# KiCad board video.kicad_pcb (continued)
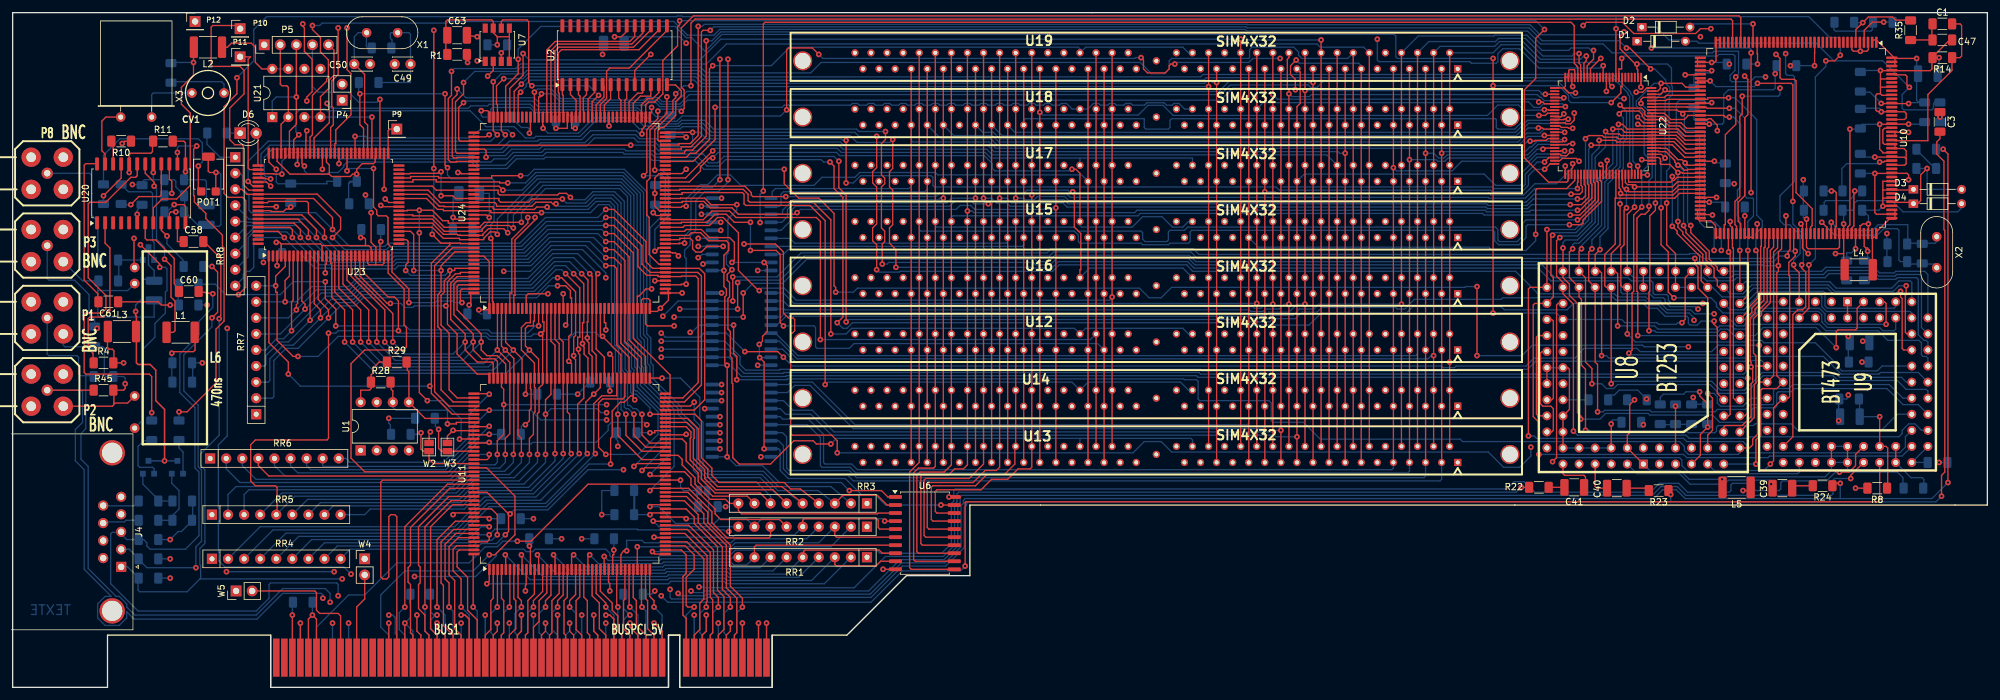
[diagram p0: board, top side]
## Footprints (pads in the part's own frame, mm; a bottom-side part is the same pattern mirrored in y, then rotated) (continued)
R_1206_3216Metric_Pad1.30x1.75mm_HandSolder
  rrect 1.3x1.75 smd: 1(-1.55,0) 2(1.55,0)
R_1210_3225Metric_Pad1.30x2.65mm_HandSolder
  rrect 1.3x2.65 smd: 1(-1.55,0) 2(1.55,0)
R_1812_4532Metric_Pad1.30x3.40mm_HandSolder
  rrect 1.3x3.4 smd: 1(-2.225,0) 2(2.225,0)
R_Array_SIP9
  rect 1.6x1.6 hole 0.8: 1(0,0)
  oval 1.6x1.6 hole 0.8: 2(2.54,0) 3(5.08,0) 4(7.62,0) 5(10.16,0) 6(12.7,0) 7(15.24,0) 8(17.78,0) 9(20.32,0)
sim72
  round 3 hole 2.5: (-55.88,0) (55.88,0)
  round 1.143 hole 0.635: (0,0) 2(46.355,1.27) 3(45.085,-1.27) 4(43.815,1.27) 5(42.545,-1.27) 6(41.275,1.27) 7(40.005,-1.27) 8(38.735,1.27) 9(37.465,-1.27) 10(36.195,1.27) 11(34.925,-1.27) 12(33.655,1.27) 13(32.385,-1.27) 14(31.115,1.27) 15(29.845,-1.27) 16(28.575,1.27) 17(27.305,-1.27) 18(26.035,1.27) 19(24.765,-1.27) 20(23.495,1.27) 21(22.225,-1.27) 22(20.955,1.27) 23(19.685,-1.27) 24(18.415,1.27) 25(17.145,-1.27) 26(15.875,1.27) 27(14.605,-1.27) 28(13.335,1.27) 29(12.065,-1.27) 30(10.795,1.27) 31(9.525,-1.27) 32(8.255,1.27) 33(6.985,-1.27) 34(5.715,1.27) 35(4.445,-1.27) 36(3.175,1.27) 37(-3.175,-1.27) 38(-4.445,1.27) 39(-5.715,-1.27) 40(-6.985,1.27) 41(-8.255,-1.27) 42(-9.525,1.27) 43(-10.795,-1.27) 44(-12.065,1.27) 45(-13.335,-1.27) 46(-14.605,1.27) 47(-15.875,-1.27) 48(-17.145,1.27) 49(-18.415,-1.27) 50(-19.685,1.27) 51(-20.955,-1.27) 52(-22.225,1.27) 53(-23.495,-1.27) 54(-24.765,1.27) 55(-26.035,-1.27) 56(-27.305,1.27) 57(-28.575,-1.27) 58(-29.845,1.27) 59(-31.115,-1.27) 60(-32.385,1.27) 61(-33.655,-1.27) 62(-34.925,1.27) 63(-36.195,-1.27) 64(-37.465,1.27) 65(-38.735,-1.27) 66(-40.005,1.27) 67(-41.275,-1.27) 68(-42.545,1.27) 69(-43.815,-1.27) 70(-45.085,1.27) 71(-46.355,-1.27) 72(-47.625,1.27)
  rect 1.143x1.143 hole 0.635: 1(47.625,-1.27)
SOIC-20W_7.5x12.8mm_P1.27mm
  rrect 2.05x0.6 smd: 1(-4.65,5.715) 2(-4.65,4.445) 3(-4.65,3.175) 4(-4.65,1.905) 5(-4.65,0.635) 6(-4.65,-0.635) 7(-4.65,-1.905) 8(-4.65,-3.175) 9(-4.65,-4.445) 10(-4.65,-5.715) 11(4.65,-5.715) 12(4.65,-4.445) 13(4.65,-3.175) 14(4.65,-1.905) 15(4.65,-0.635) 16(4.65,0.635) 17(4.65,1.905) 18(4.65,3.175) 19(4.65,4.445) 20(4.65,5.715)
SOIC-24W_7.5x15.4mm_P1.27mm
  rrect 2.05x0.6 smd: 1(-4.65,6.985) 2(-4.65,5.715) 3(-4.65,4.445) 4(-4.65,3.175) 5(-4.65,1.905) 6(-4.65,0.635) 7(-4.65,-0.635) 8(-4.65,-1.905) 9(-4.65,-3.175) 10(-4.65,-4.445) 11(-4.65,-5.715) 12(-4.65,-6.985) 13(4.65,-6.985) 14(4.65,-5.715) 15(4.65,-4.445) 16(4.65,-3.175) 17(4.65,-1.905) 18(4.65,-0.635) 19(4.65,0.635) 20(4.65,1.905) 21(4.65,3.175) 22(4.65,4.445) 23(4.65,5.715) 24(4.65,6.985)
SOIC-28W_7.5x17.9mm_P1.27mm
  rrect 2.05x0.6 smd: 1(-4.65,8.255) 2(-4.65,6.985) 3(-4.65,5.715) 4(-4.65,4.445) 5(-4.65,3.175) 6(-4.65,1.905) 7(-4.65,0.635) 8(-4.65,-0.635) 9(-4.65,-1.905) 10(-4.65,-3.175) 11(-4.65,-4.445) 12(-4.65,-5.715) 13(-4.65,-6.985) 14(-4.65,-8.255) 15(4.65,-8.255) 16(4.65,-6.985) 17(4.65,-5.715) 18(4.65,-4.445) 19(4.65,-3.175) 20(4.65,-1.905) 21(4.65,-0.635) 22(4.65,0.635) 23(4.65,1.905) 24(4.65,3.175) 25(4.65,4.445) 26(4.65,5.715) 27(4.65,6.985) 28(4.65,8.255)
SolderJumper-2_P1.3mm_Open_Pad1.0x1.5mm
  rect 1x1.5 smd: 1(-0.65,0) 2(0.65,0)
SOT23EBC
  rect 0.914x0.914 smd: 1(-0.889,1.016) 2(0.889,1.016) 3(0,-1.016)
SSOP-8_3.95x5.21x3.27mm_P1.27mm
  rect 1.45x0.8 smd: 1(-2.625,1.905) 2(-2.625,0.635) 3(-2.625,-0.635) 4(-2.625,-1.905) 5(2.625,-1.905) 6(2.625,-0.635) 7(2.625,0.635) 8(2.625,1.905)
subclick
  round 1.778 hole 1.016: 1(0,0)
  round 3.048 hole 1.524: 2(-2.54,2.54) 2(-2.54,-2.54) 2(2.54,2.54) 2(2.54,-2.54)
TQFP-100_14x14mm_P0.5mm
  rrect 1.475x0.3 smd: 1(-7.662,6) 2(-7.662,5.5) 3(-7.662,5) 4(-7.662,4.5) 5(-7.662,4) 6(-7.662,3.5) 7(-7.662,3) 8(-7.662,2.5) 9(-7.662,2) 10(-7.662,1.5) 11(-7.662,1) 12(-7.662,0.5) 13(-7.662,0) 14(-7.662,-0.5) 15(-7.662,-1) 16(-7.662,-1.5) 17(-7.662,-2) 18(-7.662,-2.5) 19(-7.662,-3) 20(-7.662,-3.5) 21(-7.662,-4) 22(-7.662,-4.5) 23(-7.662,-5) 24(-7.662,-5.5) 25(-7.662,-6) 51(7.662,-6) 52(7.662,-5.5) 53(7.662,-5) 54(7.662,-4.5) 55(7.662,-4) 56(7.662,-3.5) 57(7.662,-3) 58(7.662,-2.5) 59(7.662,-2) 60(7.662,-1.5) 61(7.662,-1) 62(7.662,-0.5) 63(7.662,0) 64(7.662,0.5) 65(7.662,1) 66(7.662,1.5) 67(7.662,2) 68(7.662,2.5) 69(7.662,3) 70(7.662,3.5) 71(7.662,4) 72(7.662,4.5) 73(7.662,5) 74(7.662,5.5) 75(7.662,6)
  rrect 0.3x1.475 smd: 26(-6,-7.662) 27(-5.5,-7.662) 28(-5,-7.662) 29(-4.5,-7.662) 30(-4,-7.662) 31(-3.5,-7.662) 32(-3,-7.662) 33(-2.5,-7.662) 34(-2,-7.662) 35(-1.5,-7.662) 36(-1,-7.662) 37(-0.5,-7.662) 38(0,-7.662) 39(0.5,-7.662) 40(1,-7.662) 41(1.5,-7.662) 42(2,-7.662) 43(2.5,-7.662) 44(3,-7.662) 45(3.5,-7.662) 46(4,-7.662) 47(4.5,-7.662) 48(5,-7.662) 49(5.5,-7.662) 50(6,-7.662) 76(6,7.662) 77(5.5,7.662) 78(5,7.662) 79(4.5,7.662) 80(4,7.662) 81(3.5,7.662) 82(3,7.662) 83(2.5,7.662) 84(2,7.662) 85(1.5,7.662) 86(1,7.662) 87(0.5,7.662) 88(0,7.662) 89(-0.5,7.662) 90(-1,7.662) 91(-1.5,7.662) 92(-2,7.662) 93(-2.5,7.662) 94(-3,7.662) 95(-3.5,7.662) 96(-4,7.662) 97(-4.5,7.662) 98(-5,7.662) 99(-5.5,7.662) 100(-6,7.662)

## Nets
+3.3V: BUS1.A21 BUS1.A27 BUS1.A33 BUS1.A39 BUS1.A45 BUS1.A53 BUS1.B25 BUS1.B31 BUS1.B36 BUS1.B41 BUS1.B43 BUS1.B54 C68.1 C69.1
+5V: BUS1.A5 BUS1.A8 BUS1.A10 BUS1.A16 BUS1.A59 BUS1.A61 BUS1.A62 BUS1.B5 BUS1.B6 BUS1.B19 BUS1.B59 BUS1.B61 BUS1.B62 C9.1 C10.1 C11.1 C15.1 C17.1 C18.1 C19.1 C20.1 C21.1 C22.1 C24.1 C25.1 C26.1 C27.1 C28.1 C29.1 C30.1 C31.1 C38.1 C56.1 C57.1 C67.1 C70.1 C71.1 C72.1 C73.1 D2.2 D4.2 L2.1 L3.1 L4.1 L5.1 R1.2 R4.2 R5.2 R6.2 R7.2 R13.1 R28.1 R29.1 R48.1 RR1.1 RR2.1 RR3.1 RR4.1 RR5.1 RR6.1 RR7.1 RR8.1 U1.7 U1.8 U2.10 U3.20 U4.20 U5.20 U6.20 U10.31 U10.45 U10.57 U10.76 U10.91 U10.102 U10.112 U11.11 U11.31 U11.51 U11.71 U11.91 U11.111 U11.131 U11.151 U12.10 U12.30 U12.59 U13.10 U13.30 U13.59 U14.10 U14.30 U14.59 U15.10 U15.30 U15.59 U16.10 U16.30 U16.59 U17.10 U17.30 U17.59 U18.10 U18.30 U18.59 U19.10 U19.30 U19.59 U21.7 U21.8 U22.12 U22.22 U22.24 U22.25 U22.26 U22.37 U22.51 U22.63 U22.75 U22.89 U22.100 U23.3 U23.15 U23.28 U23.40 U23.54 U23.66 U23.78 U23.92 U24.20 U24.38 U24.40 U24.41 U24.42 U24.60 U24.81 U24.100 U24.120 U24.142 U24.160
GND: BUS1.A18 BUS1.A24 BUS1.A30 BUS1.A35 BUS1.A37 BUS1.A42 BUS1.A48 BUS1.A56 BUS1.B3 BUS1.B15 BUS1.B17 BUS1.B22 BUS1.B28 BUS1.B34 BUS1.B38 BUS1.B46 BUS1.B49 BUS1.B57 C2.2 C6.2 C7.2 C9.2 C10.2 C11.2 C12.2 C13.2 C14.2 C15.2 C16.2 C17.2 C18.2 C19.2 C20.2 C21.2 C22.2 C23.2 C24.2 C25.2 C26.2 C27.2 C28.2 C29.2 C30.2 C31.2 C32.1 C33.2 C37.1 C38.2 C43.2 C44.2 C45.2 C46.2 C47.2 C48.1 C49.2 C50.2 C51.2 C52.2 C53.2 C54.2 C55.2 C56.2 C57.2 C62.2 C63.2 C64.2 C65.1 C66.1 C67.2 C68.2 C69.2 C70.2 C71.2 C72.2 C73.2 CV1.2 D1.1 D3.1 J4.4 J4.5 J4.6 J4.7 L6.3 P1.2 P2.2 P3.2 P4.2 P5.1 P8.2 P12.1 POT1.1 POT1.2 R8.2 R14.2 R15.1 R31.1 R32.2 R33.2 R34.2 R37.1 R38.2 R42.1 R43.1 R44.1 R45.2 R46.2 R47.2 U1.1 U1.2 U1.3 U1.4 U2.20 U3.10 U4.10 U5.10 U6.10 U7.3 U8.2 U8.3 U8.21 U8.22 U8.23 U8.41 U8.42 U8.61 U8.63 U8.67 U9.3 U9.4 U9.12 U9.13 U9.31 U9.32 U10.3 U10.5 U10.7 U10.16 U10.30 U10.44 U10.56 U10.66 U10.75 U10.88 U10.89 U10.90 U10.98 U10.103 U10.111 U10.116 U10.118 U10.124 U10.126 U10.128 U10.130 U10.134 U10.136 U10.138 U10.139 U10.143 U10.145 U10.147 U10.151 U10.153 U10.155 U10.157 U11.10 U11.30 U11.50 U11.70 U11.90 U11.110 U11.130 U11.150 U12.1 U12.39 U12.72 U13.1 U13.39 U13.72 U14.1 U14.39 U14.72 U15.1 U15.39 U15.72 U16.1 U16.39 U16.72 U17.1 U17.39 U17.72 U18.1 U18.39 U18.72 U19.1 U19.39 U19.72 U20.10 U20.17 U21.5 U22.1 U22.11 U22.23 U22.38 U22.49 U22.64 U22.77 U22.88 U23.4 U23.14 U23.26 U23.41 U23.52 U23.67 U23.80 U23.91 U24.1 U24.10 U24.19 U24.29 U24.39 U24.51 U24.61 U24.70 U24.79 U24.91 U24.101 U24.110 U24.122 U24.131 U24.141 U24.151 W1.1 W2.1 W3.1 W4.1 W5.1
+5F: C55.1 L3.2 Q1.3 Q2.3 Q3.3
//PCRD: RR3.7 U11.72 U23.46 U24.133
//PCWR: RR3.5 U11.74 U23.47 U24.132
/ACCES_RAM-: U3.19 U4.19 U5.19 U6.19 U22.21 U24.56
/ACQ_ON: U22.13 U24.48
/ADR2: U11.68 U23.48 U24.137
/ADR3: U11.67 U23.44 U24.138
/ADR4: U11.66 U23.43 U24.139
/ADR5: U11.64 U23.42 U24.140
/ADR6: U11.132 U23.39 U24.143
/BE-0: U11.87 U23.38 U24.144
/BE-1: U11.63 U23.37 U24.145
/BE-2: U11.62 U23.36 U24.146
/BE-3: U11.60 U23.35 U24.147
/BLANK-: U9.7 U22.8 U24.53
/BLUE_IN: P3.1 R22.1 R46.1
/BLUE_OUT: C60.2 J4.3 R44.2 U9.39
/BPCLK: U11.140 U23.30
/BT812_RD-: U10.86 U23.71
/BT812_WR-: U10.83 U23.70
/buspci.sch/EA1: RR2.6 U11.61
/buspci.sch/EA2: RR3.8 U11.69
/buspci.sch/EA3: RR3.6 U11.73
/buspci.sch/EA4: RR3.2 U11.81
/buspci.sch/EA5: RR4.4 U11.89
/buspci.sch/EA6: RR4.2 U11.97
/buspci.sch/EA7: RR5.9 U11.101
/buspci.sch/EA9: RR5.3 U11.113
/buspci.sch/EA10: RR6.9 U11.121
/buspci.sch/EA11: RR6.7 U11.129
/buspci.sch/EA12: RR6.5 U11.137
/buspci.sch/EA13: RR6.4 U11.141
/buspci.sch/EA14: RR4.8 U11.149
/buspci.sch/EA15: RR4.6 U11.153
/buspci.sch/EQ0: RR1.2 U11.1
/buspci.sch/EQ1: RR1.4 U11.9
/buspci.sch/EQ2: RR1.6 U11.17
/buspci.sch/EQ3: RR1.7 U11.21
/buspci.sch/EQ4: RR1.9 U11.29
/buspci.sch/EQ5: RR2.4 U11.33
/buspci.sch/EQ6: RR2.2 U11.41
/buspci.sch/EQ7: RR2.9 U11.49
/buspci.sch/P_AD0: BUS1.A58 U11.56
/buspci.sch/P_AD1: BUS1.B58 U11.55
/buspci.sch/P_AD2: BUS1.A57 U11.54
/buspci.sch/P_AD3: BUS1.B56 U11.52
/buspci.sch/P_AD4: BUS1.A55 U11.48
/buspci.sch/P_AD5: BUS1.B55 U11.47
/buspci.sch/P_AD6: BUS1.A54 U11.46
/buspci.sch/P_AD7: BUS1.B53 U11.44
/buspci.sch/P_AD8: BUS1.B52 U11.42
/buspci.sch/P_AD9: BUS1.A49 U11.40
/buspci.sch/P_AD10: BUS1.B48 U11.39
/buspci.sch/P_AD11: BUS1.A47 U11.38
/buspci.sch/P_AD12: BUS1.B47 U11.36
/buspci.sch/P_AD13: BUS1.A46 U11.35
/buspci.sch/P_AD14: BUS1.B45 U11.34
/buspci.sch/P_AD15: BUS1.A44 U11.32
/buspci.sch/P_AD16: BUS1.A32 U11.14
/buspci.sch/P_AD17: BUS1.B32 U11.12
/buspci.sch/P_AD18: BUS1.A31 U11.8
/buspci.sch/P_AD19: BUS1.B30 U11.7
/buspci.sch/P_AD20: BUS1.A29 U11.6
/buspci.sch/P_AD21: BUS1.B29 U11.4
/buspci.sch/P_AD22: BUS1.A28 U11.3
/buspci.sch/P_AD23: BUS1.B27 U11.2
/buspci.sch/P_AD24: BUS1.A25 U11.158
/buspci.sch/P_AD25: BUS1.B24 U11.156
/buspci.sch/P_AD26: BUS1.A23 U11.155
/buspci.sch/P_AD27: BUS1.B23 U11.154
/buspci.sch/P_AD28: BUS1.A22 U11.152
/buspci.sch/P_AD29: BUS1.B21 U11.148
/buspci.sch/P_AD30: BUS1.A20 U11.147
/buspci.sch/P_AD31: BUS1.B20 U11.146
/buspci.sch/P_C/BE0#: BUS1.A52 U11.43
/buspci.sch/P_C/BE1#: BUS1.B44 U11.28
/buspci.sch/P_C/BE2#: BUS1.B33 U11.15
/buspci.sch/P_C/BE3#: BUS1.B26 U11.159
/buspci.sch/P_CLK: BUS1.B16 U11.142
/buspci.sch/P_DEVSEL#: BUS1.B37 U11.20
/buspci.sch/P_FRAME#: BUS1.A34 U11.16
/buspci.sch/P_GNT#: BUS1.A17 U11.143
/buspci.sch/P_IDSEL: BUS1.A26 U11.160
/buspci.sch/P_INTA#: BUS1.A6 U11.58
/buspci.sch/P_IRDY#: BUS1.B35 U11.18
/buspci.sch/P_LOCK#: BUS1.B39 U11.23
/buspci.sch/P_PAR: BUS1.A43 U11.27
/buspci.sch/P_PERR#: BUS1.B40 U11.24
/buspci.sch/P_REQ#: BUS1.B18 U11.144
/buspci.sch/P_RST#: BUS1.A15 U11.139
/buspci.sch/P_SERR#: BUS1.B42 U11.26
/buspci.sch/P_STOP#: BUS1.A38 U11.22
/buspci.sch/P_TRDY#: BUS1.A36 U11.19
/C_OUT: J4.8 R39.1
/CAS0-: U12.40 U13.40 U14.40 U15.40 U16.40 U17.40 U18.40 U19.40 U24.57
/CAS1-: U12.41 U13.41 U14.41 U15.41 U16.41 U17.41 U18.41 U19.41 U24.58
/CAS2-: U12.42 U13.42 U14.42 U15.42 U16.42 U17.42 U18.42 U19.42 U24.59
/CAS3-: U12.43 U13.43 U14.43 U15.43 U16.43 U17.43 U18.43 U19.43 U24.62
/CLAMP: U8.37 U8.59 U22.7 U24.75
/CLKCAD: U8.38 U8.39 U8.40 U22.2 U24.77
/CLKCDA: U9.9 U22.79 U24.76
/CSYNC-OUT: R30.2 U9.8 U22.9 U24.13
/CSYNCIN-: U8.8 U24.54
/DQ0: RR7.2 U3.2 U8.16 U9.14 U10.92 U11.100 U23.13 U24.21
/DQ1: RR7.3 U3.3 U8.15 U9.15 U10.93 U11.99 U23.12 U24.22
/DQ2: RR7.4 U3.4 U8.14 U9.16 U10.94 U11.98 U23.11 U24.23
/DQ3: RR7.5 U3.5 U8.13 U9.17 U10.95 U11.96 U23.7 U24.24
/DQ4: RR7.6 U3.6 U8.12 U9.18 U10.96 U11.95 U23.9 U24.25
/DQ5: RR7.7 U3.7 U8.11 U9.19 U10.97 U11.94 U23.8 U24.26
/DQ6: RR7.8 U3.8 U8.10 U9.20 U10.99 U11.92 U23.6 U24.27
/DQ7: RR7.9 U3.9 U8.9 U9.21 U10.100 U11.88 U23.5 U24.28
/DQ8: RR8.9 U4.2 U11.86 U23.97 U24.32
/DQ9: RR8.8 U4.3 U11.84 U23.96 U24.33
/DQ10: RR8.7 U4.4 U11.83 U23.95 U24.34
/DQ11: RR8.6 U4.5 U11.82 U23.94 U24.35
/DQ12: RR8.5 U4.6 U11.80 U23.93 U24.36
/DQ13: RR8.4 U4.7 U11.79 U23.90 U24.45
/DQ14: RR8.3 U4.8 U11.78 U23.88 U24.46
/DQ15: RR8.2 U4.9 U11.76 U23.89 U24.47
/DQ16: RR4.7 U5.2 U11.157
/DQ17: RR4.9 U5.3 U11.145
/DQ18: RR6.6 U5.4 U11.133
/DQ19: RR6.8 U5.5 U11.125
/DQ20: RR6.3 U5.6 U11.117
/DQ21: RR5.6 U5.7 U11.105
/DQ22: RR4.3 U5.8 U11.93
/DQ23: RR4.5 U5.9 U11.85
/DQ24: RR3.3 U6.2 U11.77
/DQ25: RR3.9 U6.3 U11.65
/DQ26: RR2.8 U6.4 U11.53
/DQ27: RR2.5 U6.5 U11.45
/DQ28: RR2.3 U6.6 U11.37
/DQ29: RR1.8 U6.7 U11.25
/DQ30: RR1.5 U6.8 U11.13
/DQ31: RR1.3 U6.9 U11.5
/ESVIDEO-RVB/OE_RVB-: U8.57 U9.29
/ESVIDEO-RVB/REF+: R37.2 U8.64 U8.65 U8.66 U8.71 U8.73 U8.76 U8.78 U8.80 U8.82
/ESVIDEO-RVB/VAA: C33.1 C34.1 C35.1 C42.1 C51.1 C52.1 L5.2 U8.1 U8.43 U8.44 U8.84 U9.1 U9.2 U9.33 U9.34 U9.35 U9.36
/F_PALIN: U10.104 U24.43
/graphic/14MHZOUT: U7.6 U24.95
/graphic/CCLK: P5.2 U21.2 U23.77
/graphic/CLK10MHz: R21.2 U23.57 U24.2
/graphic/CSIO-: U23.61 U24.159
/graphic/DIN: P5.3 U21.1 U23.75
/graphic/DONE: P5.4 U23.53
/graphic/HDOUT: U7.1 U24.7
/graphic/HDREFOUT: U7.2 U24.6
/graphic/IA0: U2.6 U24.94
/graphic/IA1: U2.7 U24.92
/graphic/IA2: U2.8 U24.88
/graphic/IA3: U2.9 U24.87
/graphic/IA4: U2.11 U24.86
/graphic/IA5: U2.12 U24.85
/graphic/IA6: U2.13 U24.83
/graphic/IA7: U2.14 U24.78
/graphic/IA8: U2.15 U24.93
/graphic/IA9: U2.5 U24.96
/graphic/ICAS-: U2.17 U24.104
/graphic/ID0: U2.1 U24.102
/graphic/ID1: U2.2 U24.99
/graphic/ID2: U2.18 U24.105
/graphic/ID3: U2.19 U24.106
/graphic/IOE-: U2.16 U24.103
/graphic/IRAS-: U2.4 U24.97
/graphic/IWR-: U2.3 U24.98
/graphic/LED: D6.2 U23.81
/graphic/PROG*: P5.5 U21.3 U21.4 U23.55
/graphic/RESERV1: U23.59 U24.44
/graphic/VOSC: C23.1 C63.1 R1.1 U7.4 U7.5 U7.7
/graphic/X_DIN: U23.85 U24.117
/graphic/XTAL_I: C50.1 R26.1 U23.56 X1.2
/GREEN_IN: C3.2 P2.1 R23.1 R45.1
/GREEN_OUT: C59.2 J4.2 R43.2 U9.38
/HD_PAL-: U10.36 U24.52
/IRQ-: U11.124 U24.149
/IRQ_SRL: RR2.7 U11.57 U24.134
/modul/CHROM: R16.2 U20.14
/modul/CVBS: R18.2 U20.16
/modul/CVBSOUT: P8.1 R41.1
/modul/LUM: R17.2 U20.19
/MXA0: U12.12 U13.12 U14.12 U15.12 U16.12 U17.12 U18.12 U19.12 U24.128
/MXA1: U12.13 U13.13 U14.13 U15.13 U16.13 U17.13 U18.13 U19.13 U24.127
/MXA2: U12.14 U13.14 U14.14 U15.14 U16.14 U17.14 U18.14 U19.14 U24.126
/MXA3: U12.15 U13.15 U14.15 U15.15 U16.15 U17.15 U18.15 U19.15 U24.125
/MXA4: U12.16 U13.16 U14.16 U15.16 U16.16 U17.16 U18.16 U19.16 U24.124
/MXA5: U12.17 U13.17 U14.17 U15.17 U16.17 U17.17 U18.17 U19.17 U24.123
/MXA6: U12.18 U13.18 U14.18 U15.18 U16.18 U17.18 U18.18 U19.18 U24.116
/MXA7: U12.28 U13.28 U14.28 U15.28 U16.28 U17.28 U18.28 U19.28 U24.115
/MXA8: U12.31 U13.31 U14.31 U15.31 U16.31 U17.31 U18.31 U19.31 U24.114
/MXA9: U12.32 U13.32 U14.32 U15.32 U16.32 U17.32 U18.32 U19.32 U24.113
/MXA10: U12.19 U13.19 U14.19 U15.19 U16.19 U17.19 U18.19 U19.19 U24.109
/OE_PAL-: U9.28 U10.46 U10.47
/pal-ntsc.sch/C-VIDEO: D3.2 D4.1 R2.1 U10.125
/pal-ntsc.sch/VAF: C2.1 C12.1 C13.1 C14.1 C62.1 L4.2 R12.2 U10.1 U10.2 U10.39 U10.40 U10.41 U10.42 U10.43 U10.78 U10.79 U10.80 U10.81 U10.82 U10.119 U10.120 U10.121 U10.122 U10.123 U10.132 U10.141 U10.142 U10.149 U10.158 U10.159 U10.160
/pal-ntsc.sch/Y-VIDEO: D1.2 D2.1 R3.1 U10.156
/pal-ntsc.sch/Y_SYNC: R20.2 R35.2 U10.6
/PCA0: U8.17 U9.24 U10.84 U23.65
/PCA1: U8.18 U9.25 U10.85 U23.64
/PCA2: U8.19 U9.26 U23.63
/PTADR-: RR5.5 U11.107 U23.24 U24.14
/PTATN-: RR5.2 U11.114 U23.18 U24.4
/PTBE-0: U11.116 U23.20 U24.158
/PTBE-1: U11.118 U23.21 U24.157
/PTBE-2: U11.119 U23.22 U24.156
/PTBE-3: U11.120 U23.23 U24.155
/PTBURST: U11.112 U23.17 U24.5
/PTNUM0: U11.123 U23.34 U24.150
/PTNUM1: U11.122 U23.32 U24.154
/PTRDY-: RR6.2 U11.115 U23.19 U24.3
/PTWR: U11.108 U23.16 U24.12
/RAS0-: U19.34 U19.44 U24.74
/RAS1-: U18.34 U18.44 U24.73
/RAS2-: U17.34 U17.44 U24.69
/RAS3-: U15.34 U15.44 U24.68
/RAS4-: U16.34 U16.44 U24.67
/RAS5-: U12.34 U12.44 U24.66
/RAS6-: U14.34 U14.44 U24.65
/RAS7-: U13.34 U13.44 U24.64
/RDCAD-: U8.20 U23.74
/RDCDA-: U9.22 U23.72
/RDEMPTY: U11.106 U24.15
/RDFIFO-: RR5.7 U11.104 U24.16
/RED_IN: C4.2 P1.1 R24.1 R47.1
/RED_OUT: C58.2 J4.1 R42.2 U9.37
/SELECT-: RR3.4 U11.75 U23.45 U24.135
/SYSRST-: U10.87 U11.126 U23.1 U24.148
/TVB0: U8.32 U9.61 U10.55 U22.92
/TVB1: U8.31 U9.62 U10.54 U22.93
/TVB2: U8.30 U9.63 U10.53 U22.94
/TVB3: U8.29 U9.64 U10.52 U22.95
/TVB4: U8.28 U9.65 U10.51 U22.96
/TVB5: U8.27 U9.66 U10.50 U22.97
/TVB6: U8.26 U9.67 U10.49 U22.98
/TVB7: U8.25 U9.68 U10.48 U22.99
/TVG0: U8.48 U9.53 U10.74 U22.67
/TVG1: U8.47 U9.54 U10.73 U22.68
/TVG2: U8.46 U9.55 U10.72 U22.69
/TVG3: U8.45 U9.56 U10.71 U22.70
/TVG4: U8.36 U9.57 U10.70 U22.71
/TVG5: U8.35 U9.58 U10.69 U22.78
/TVG6: U8.34 U9.59 U10.68 U22.80
/TVG7: U8.33 U9.60 U10.67 U22.81
/TVI0: U9.10 U24.108
/TVI1: U9.11 U24.107
/TVR0: U8.56 U9.45 U10.65 U22.82
/TVR1: U8.55 U9.46 U10.64 U22.83
/TVR2: U8.54 U9.47 U10.63 U22.84
/TVR3: U8.53 U9.48 U10.62 U22.85
/TVR4: U8.52 U9.49 U10.61 U22.86
/TVR5: U8.51 U9.50 U10.60 U22.87
/TVR6: U8.50 U9.51 U10.59 U22.90
/TVR7: U8.49 U9.52 U10.58 U22.91
/TVRAM0: U3.18 U12.2 U13.2 U14.2 U15.2 U16.2 U17.2 U18.2 U19.2 U22.17
/TVRAM1: U3.17 U12.4 U13.4 U14.4 U15.4 U16.4 U17.4 U18.4 U19.4 U22.19
/TVRAM2: U3.16 U12.6 U13.6 U14.6 U15.6 U16.6 U17.6 U18.6 U19.6 U22.20
/TVRAM3: U3.15 U12.8 U13.8 U14.8 U15.8 U16.8 U17.8 U18.8 U19.8 U22.18
/TVRAM4: U3.14 U12.20 U13.20 U14.20 U15.20 U16.20 U17.20 U18.20 U19.20 U22.28
/TVRAM5: U3.13 U12.22 U13.22 U14.22 U15.22 U16.22 U17.22 U18.22 U19.22 U22.29
/TVRAM6: U3.12 U12.24 U13.24 U14.24 U15.24 U16.24 U17.24 U18.24 U19.24 U22.31
/TVRAM7: U3.11 U12.26 U13.26 U14.26 U15.26 U16.26 U17.26 U18.26 U19.26 U22.32
/TVRAM8: U4.18 U12.49 U13.49 U14.49 U15.49 U16.49 U17.49 U18.49 U19.49 U22.33
/TVRAM9: U4.17 U12.51 U13.51 U14.51 U15.51 U16.51 U17.51 U18.51 U19.51 U22.34
/TVRAM10: U4.16 U12.53 U13.53 U14.53 U15.53 U16.53 U17.53 U18.53 U19.53 U22.35
/TVRAM11: U4.15 U12.55 U13.55 U14.55 U15.55 U16.55 U17.55 U18.55 U19.55 U22.36
/TVRAM12: U4.14 U12.57 U13.57 U14.57 U15.57 U16.57 U17.57 U18.57 U19.57 U22.39
/TVRAM13: U4.13 U12.61 U13.61 U14.61 U15.61 U16.61 U17.61 U18.61 U19.61 U22.40
/TVRAM14: U4.12 U12.63 U13.63 U14.63 U15.63 U16.63 U17.63 U18.63 U19.63 U22.41
/TVRAM15: U4.11 U12.65 U13.65 U14.65 U15.65 U16.65 U17.65 U18.65 U19.65 U22.42
/TVRAM16: U5.18 U12.3 U13.3 U14.3 U15.3 U16.3 U17.3 U18.3 U19.3 U22.43
/TVRAM17: U5.17 U12.5 U13.5 U14.5 U15.5 U16.5 U17.5 U18.5 U19.5 U22.44
/TVRAM18: U5.16 U12.7 U13.7 U14.7 U15.7 U16.7 U17.7 U18.7 U19.7 U22.45
/TVRAM19: U5.15 U12.9 U13.9 U14.9 U15.9 U16.9 U17.9 U18.9 U19.9 U22.46
/TVRAM20: U5.14 U12.21 U13.21 U14.21 U15.21 U16.21 U17.21 U18.21 U19.21 U22.47
/TVRAM21: U5.13 U12.23 U13.23 U14.23 U15.23 U16.23 U17.23 U18.23 U19.23 U22.48
/TVRAM22: U5.12 U12.25 U13.25 U14.25 U15.25 U16.25 U17.25 U18.25 U19.25 U22.53
/TVRAM23: U5.11 U12.27 U13.27 U14.27 U15.27 U16.27 U17.27 U18.27 U19.27 U22.54
/TVRAM24: U6.18 U12.50 U13.50 U14.50 U15.50 U16.50 U17.50 U18.50 U19.50 U22.55
/TVRAM25: U6.17 U12.52 U13.52 U14.52 U15.52 U16.52 U17.52 U18.52 U19.52 U22.56
/TVRAM26: U6.16 U12.54 U13.54 U14.54 U15.54 U16.54 U17.54 U18.54 U19.54 U22.57
/TVRAM27: U6.15 U12.56 U13.56 U14.56 U15.56 U16.56 U17.56 U18.56 U19.56 U22.58
/TVRAM28: U6.14 U12.58 U13.58 U14.58 U15.58 U16.58 U17.58 U18.58 U19.58 U22.59
/TVRAM29: U6.13 U12.60 U13.60 U14.60 U15.60 U16.60 U17.60 U18.60 U19.60 U22.60
/TVRAM30: U6.12 U12.62 U13.62 U14.62 U15.62 U16.62 U17.62 U18.62 U19.62 U22.61
/TVRAM31: U6.11 U12.64 U13.64 U14.64 U15.64 U16.64 U17.64 U18.64 U19.64 U22.62
/VD_PAL-: U10.34 U24.37
/WRAM-: U12.47 U13.47 U14.47 U15.47 U16.47 U17.47 U18.47 U19.47 U24.63
/WRCAD-: U8.24 U23.69
/WRCDA-: U9.23 U23.73
/WRFIFDO-: RR5.8 U11.102 U24.18
/WRFULL: U11.103 U24.17
/WRITE_RAM: U3.1 U4.1 U5.1 U6.1 U24.55
/X_CLK: U22.74 U23.86 U24.119
/X_DATA: U22.72 U24.118
/X_DONE: U22.50 U23.83 U24.80
/X_IRQ: RR5.4 U11.109 U24.11
/X_PROG-: U22.52 U23.84 U24.82
/Y_OUT: J4.9 R40.2
Net-(BUS1-PRSNT1#): BUS1.B9 W5.2
Net-(BUS1-PRSNT2#): BUS1.B11 W4.2
Net-(BUS1-TDI): BUS1.A4 BUS1.B4
Net-(C1-Pad1): C1.1 C47.1 R35.1
Net-(C3-Pad1): C3.1 R3.2
Net-(C4-Pad1): C4.1 R2.2
Net-(C5-Pad2): C5.2 R19.1
Net-(C8-Pad2): C8.2 R20.1
Net-(C36-Pad2): C36.2 C37.2 R36.1
Net-(C39-Pad2): C39.2 R24.2
Net-(C40-Pad2): C40.2 R23.2
Net-(C41-Pad2): C41.2 R22.2
Net-(C46-Pad1): C46.1 C53.1 L1.2
Net-(C49-Pad1): C49.1 R21.1 R26.2 X1.1
Net-(C61-Pad1): C61.1 R30.1 R31.2
Net-(CV1-Pad1): CV1.1 X3.1
Net-(D6-A): D6.1 R13.2
Net-(L6-Pad1): L6.1 R10.1
Net-(P4-P1): P4.1 R48.2 U23.25 U23.27 U23.29
Net-(POT1-Pad3): POT1.3 R9.1
Net-(Q1-B): Q1.2 R16.1
Net-(Q1-E): Q1.1 R32.1 R39.2
Net-(Q2-B): Q2.2 R17.1
Net-(Q2-E): Q2.1 R33.1 R40.1
Net-(Q3-B): Q3.2 R18.1
Net-(Q3-E): Q3.1 R34.1 R41.2
Net-(U1-SCL): R28.2 U1.6 U11.128
Net-(U1-SDA): R29.2 U1.5 U11.127
Net-(U8-BIN): U8.58 U8.68
Net-(U8-BVID0): C41.1 U8.75
Net-(U8-CEXT1): R36.2 U8.6
Net-(U8-CEXT2): C36.1 R15.2 U8.7
Net-(U8-GIN): U8.60 U8.70
Net-(U8-GVID0): C40.1 U8.79
Net-(U8-RIN): U8.62 U8.72
Net-(U8-RSET): R38.1 U8.69
Net-(U8-RVID0): C39.1 U8.83
Net-(U9-COMP): C35.2 U9.41 U9.42
Net-(U9-IREF): C34.2 C42.2 R8.1 U9.40
Net-(U9-VREF): C32.2 U9.43 U9.44
Net-(U10-CLEVEL): C7.1 R27.2 U10.114
Net-(U10-CREF+): C6.1 R12.1 U10.113 U10.137 U10.144
Net-(U10-N/C): C16.1 U10.110
Net-(U10-OUT_C): R19.2 U10.115
Net-(U10-R/2): R27.1 U10.135
Net-(U10-SYNC_DET): C1.2 R14.1 U10.140
Net-(U10-VIN_C): C5.1 U10.117
Net-(U10-VIN_Y/COMP.): C8.1 U10.4
Net-(U10-XTAL1_IN): C66.2 R25.1 U10.108 X2.2
Net-(U10-XTAL1_OUT): C65.2 R25.2 U10.109 X2.1
Net-(U11-FLT#): R6.1 U11.138 W2.2
Net-(U11-MODE_16/32): R5.1 U11.59 W1.2
Net-(U11-SNV): R7.1 U11.135 W3.2
Net-(U20-B): C58.1 U20.11
Net-(U20-B/ADJ): R9.2 U20.21
Net-(U20-CS): C61.2 U20.24
Net-(U20-FLT): C45.1 U20.15
Net-(U20-G): C59.1 U20.9
Net-(U20-MCTR): R4.1 U20.2
Net-(U20-NOTCH): L1.1 U20.18
Net-(U20-OSC): U20.23 X3.2
Net-(U20-R): C60.1 U20.7
Net-(U20-UOFF): C44.1 U20.6
Net-(U20-VCC): C54.1 L2.2 U20.8
Net-(U20-VOFF): C43.1 U20.12
Net-(U20-VREF): C48.2 C64.1 R11.2 U20.13
Net-(U20-Y+SIN): L6.2 R11.1 U20.20
Net-(U20-Y+SOUT): R10.2 U20.22
Net-(U23-P87): P10.1 U23.87
Net-(U23-PGCK4): P11.1 U23.82
Net-(U23-SGCK3): P9.1 U23.51

Pads without a net: BUS1 A1 A2 A3 A7 A9 A11 A12 A13 A14 A19 A40 A41 A60 B1 B2 B7 B8 B10 B12 B13 B14 B60; J4 0; U2 21 22 23 24 25 26 27 28; U7 8; U8 4 5 74 77 81; U9 5 6 27 30; U10 8 9 10 11 12 13 14 15 17 18 19 20 21 22 23 24 25 26 27 28 29 32 33 35 37 38 77 101 105 106 107 127 129 131 133 146 148 150 152 154; U11 134 136; U12 11 29 33 35 36 37 38 45 46 48 66 67 68 69 70 71; U13 11 29 33 35 36 37 38 45 46 48 66 67 68 69 70 71; U14 11 29 33 35 36 37 38 45 46 48 66 67 68 69 70 71; U15 11 29 33 35 36 37 38 45 46 48 66 67 68 69 70 71; U16 11 29 33 35 36 37 38 45 46 48 66 67 68 69 70 71; U17 11 29 33 35 36 37 38 45 46 48 66 67 68 69 70 71; U18 11 29 33 35 36 37 38 45 46 48 66 67 68 69 70 71; U19 11 29 33 35 36 37 38 45 46 48 66 67 68 69 70 71; U20 1 3 4 5; U21 6; U22 3 4 5 6 10 14 15 16 27 30 65 66 73 76; U23 2 10 31 33 49 50 58 60 62 68 76 79 98 99 100; U24 8 9 30 31 49 50 71 72 84 89 90 111 112 121 129 130 136 152 153

## Via types
v1: diameter 0.889, hole 0.4, top_copper to Bottom, 807 vias
v2: diameter 0.8, hole 0.4, top_copper to Bottom, 1 via

## Routing (per net, layer and track width the routed paths; a pad name or vN(x,y) marks a point on that pad's centre or on a via; arc(x,y) is an arc through that point)
+3.3V: length 167.4
  top_copper w0.23: v1(70.87,11.43) 71.5,11.43 72.14,10.79 BUS1.B25 72.14,2.03 ; 108.97,2.03 BUS1.B54 108.97,8.25 109.6,8.89 v1(109.6,11.43) ; 92.46,2.03 BUS1.B41 92.46,8.25 91.82,8.89 v1(91.82,11.43) ; 95,2.03 BUS1.B43 95,10.79 94.36,11.43 v1(93.73,11.43) ; 79.76,2.03 BUS1.B31 79.76,8.25 80.39,8.89 v1(80.39,11.43) ; 86.11,2.03 BUS1.B36 v1(86.11,11.43)
  In2.Cu w0.23: v1(109.6,11.43) v1(107.7,11.43) v1(97.54,11.43) v1(93.73,11.43) v1(91.82,11.43) v1(89.92,11.43) v1(86.11,11.43) v1(82.3,11.43) v1(80.39,11.43) v1(74.68,11.43) v1(70.87,11.43) v1(67.06,11.43)
  Bottom w0.23: 74.68,2.03 BUS1.A27 v1(74.68,11.43) ; v1(107.7,11.43) BUS1.A53 107.7,2.03 ; 67.06,2.03 BUS1.A21 67.06,8.25 66.04,9.27 66.04,10.67 66.8,11.43 ; 82.3,2.03 BUS1.A33 v1(82.3,11.43) ; 66.04,14.73 66.04,11.94 66.55,11.43 v1(67.06,11.43) ; 89.92,2.03 BUS1.A39 v1(89.92,11.43) ; 96.52,14.73 96.52,12.45 v1(97.54,11.43) 97.28,11.43 96.52,10.67 96.52,9.27 97.54,8.25 BUS1.A45 97.54,2.03
+5V: length 992.9
  top_copper w0.2: 266.59,76.79 268.01,76.79 v1(268.1,76.71) ; v1(49.4,65.53) 49.4,66.93 49.58,66.93 49.58,68.33 ; 50.04,81.15 43.82,81.15 41.78,83.18 41.78,84.33 ; 50.04,81.15 50.42,80.77 53.34,80.77 53.72,81.15 v1(54.36,81.15) 54.36,81.91 55.24,82.8 57.02,82.8 57.28,83.06 57.28,83.57 57.38,84.33 ; 50.04,81.15 50.04,82.6 49.58,83.06 49.58,84.33 ; 103.58,27.58 100.71,27.58 v1(100.71,27.31) ; v1(63.88,11.43) 63.88,8.89 64.52,8.25 BUS1.B19 64.52,2.03 ; 119.13,2.03 BUS1.A62 v1(119.13,10.16) ; 72.39,26.92 75.31,26.92 v1(75.31,26.67) ; v1(43.94,75.95) 43.94,75.62 43.18,75.62 42.8,75.23 40.89,75.23 40.77,75.36 38.86,75.36 ; v1(81.03,46.35) 81.15,46.35 81.15,49.35 ; 115.32,2.03 BUS1.A59 v1(115.32,10.16) ; 75.31,90.63 75.31,90.93 75.06,91.19 v1(74.04,91.19) ; v1(95,21.72) 95,20.95 94.82,20.95 94.82,18.16 ; 289.33,68.58 v1(289.33,73.28) ; 289.33,68.58 289.33,66.04 289.43,66.04 ; 289.33,68.58 v1(288.04,68.58) ; v1(88.9,88.39) 88.32,88.39 88.32,90.63 ; 103.58,40.59 101.47,40.59 101.47,40.26 v1(100.71,40.26) ; 117.86,2.03 BUS1.A61 v1(117.86,10.16) ; v1(75.31,40) 75.31,39.93 72.39,39.93 ; 103.63,62.36 103.63,61.21 v1(102.36,59.94) 101.85,59.44 100.66,59.44 100.71,59.69 100.71,61.21 100.46,61.47 99.62,61.47 99.36,61.21 99.36,59.44 ; 59.05,51.43 57.91,51.43 56.9,50.42 56.9,49.66 56.64,49.4 56.64,47.24 56.39,46.99 54.99,46.99 U1.8 ; v1(246.95,94) 245.88,94 245.11,94.77 ; v1(87.38,57.28) 87.66,57.28 87.66,59.44 ; 243.59,94.77 245.11,94.77 ; 245.11,94.77 245.36,95.02 245.36,96.39 245.34,96.52 245.87,96.52 245.87,97.28 245.88,97.29 245.88,97.55 246,97.66 246.76,97.66 246.84,97.59 246.84,96.52 ; 275.67,71.17 v1(275.67,73.28) ; 81.81,18.16 81.81,22.35 v1(81.66,22.35) ; 98.3,95.25 98.3,97.54 v1(100.84,100.08) ; v2(256.79,90.17) 257.69,89.27 U22.89 ; 243.59,89.26 245.29,89.26 245.45,89.1 246.17,89.1 246.76,89.69 v1(246.76,90.8) ; 72.39,74.04 69.6,74.04 v1(69.6,74.29) ; 72.39,62.36 72.39,60.45 v1(72.14,60.45) ; v1(58.17,70.48) 58.04,70.48 58.04,68.33 ; v1(94.36,46.86) 94.36,47.55 94.16,47.75 94.16,49.35 ; v1(100.97,91.69) 100.97,90.93 100.66,90.63 ; v1(282.57,73.28) 282.83,73.02 282.83,69.47 v1(283.72,68.58) ; v1(101.22,75.06) 101.67,74.6 103.23,74.6 ; 41.78,68.33 v1(41.78,66.67) ; 46.74,2.03 BUS1.A5 46.74,10.79 v1(47.37,11.43) 48.01,10.79 BUS1.B6 48.01,2.03 ; v1(17.53,51.31) 16,51.31 16,53.21 15.75,53.47 15.24,53.47 14.99,53.72 14.99,56.26 ; 103.58,62.99 103.58,62.36 v1(105.79,62.36) ; 275.01,102.36 v1(275.01,104.9) ; 245.34,81.03 v1(245.34,82.42) ; v1(250.95,82.68) 251.33,82.3 251.33,81.03 ; v1(273.43,31.11) 274.45,31.11 274.7,31.37 274.7,31.62 ; v1(256.54,94.11) 257.56,94.11 258.23,94.77 U22.100 ; 266.24,89.05 v1(268.1,89.05) ; v1(258.32,81.03) 257.33,81.03 ; 33.12,101.22 33.95,101.22 34.58,101.85 37.72,101.85 38.35,101.22 38.35,98.81 39.37,97.79 U21.8 ; v1(147.96,30.1) 148.97,30.1 ; v1(58.17,76.2) 58.17,76 60.96,76 ; 266.24,96.85 v1(264.29,96.85) ; v1(251.84,94.23) 251.84,96.52 ; 71.88,100.08 v1(71.88,98.81)
  In2.Cu w0.2: 92.96,40.26 92.96,36.32 93.6,35.69 93.6,28.7 95,27.31 ; 92.96,40.26 v1(100.71,40.26) ; 92.96,40.26 92.96,45.21 ; 101.09,90.17 117.47,90.17 117.73,89.92 117.73,78.1 117.35,77.72 117.35,66.29 v1(117.73,65.91) 117.73,64.39 117.22,63.88 117.22,51.43 v1(117.73,50.93) 117.73,36.96 v1(118.24,36.45) 118.24,34.04 118.49,33.78 118.49,27.31 118.75,27.05 135,27.05 ; 101.09,90.17 90.68,90.17 v1(88.9,88.39) ; 101.09,90.17 100.97,90.3 v1(100.97,91.69) ; D4.2 307.98,36.96 301.62,30.61 273.69,30.61 273.43,30.86 v1(273.43,31.11) 269.37,31.11 266.95,33.53 234.44,33.53 230.89,37.08 217.17,37.08 ; v1(47.37,11.43) 47.37,10.16 v1(50.55,10.16) v1(53.09,10.16) 53.09,11.43 v1(59.44,11.43) v1(63.88,11.43) 63.88,13.21 64.39,13.59 117.35,13.59 117.86,13.08 v1(117.86,10.16) ; 95,27.31 v1(100.71,27.31) 103.89,27.31 103.89,28.57 v1(112.65,28.57) ; 95,27.31 v1(95,21.72) 95,19.69 81.66,19.69 v1(81.66,22.35) 81.66,24.13 80.39,24.13 80.39,26.67 v1(75.31,26.67) ; U1.8 U1.7 57.53,43.43 58.55,43.43 v1(59.44,42.54) 72.77,42.54 72.77,40 v1(75.31,40) 76.2,40 76.71,40.51 76.71,46.1 76.96,46.35 v1(81.03,46.35) 81.03,45.47 81.28,45.21 92.96,45.21 ; v1(117.86,10.16) v1(119.13,10.16) 131.57,10.16 131.57,15.49 135,18.92 RR1.1 RR2.1 135,27.05 ; v1(117.86,10.16) v1(115.32,10.16) ; 92.96,45.21 94.36,46.61 v1(94.36,46.86) ; v1(283.72,68.58) v1(288.04,68.58) ; v1(278.51,97.03) 277.24,98.3 277.24,102.72 v1(275.01,104.9) ; 135,27.05 RR3.1 ; 117.22,63.25 107.7,63.25 106.81,62.36 v1(105.79,62.36) ; v1(102.36,59.94) 102.11,59.69 87.38,59.69 v1(87.38,57.28) ; v1(275.67,73.28) v1(282.57,73.28) ; 257.56,80.26 v1(258.32,81.03)
  Bottom w0.2: 60.71,2.03 BUS1.A16 60.71,8.25 60.45,8.51 60.45,11.05 60.07,11.43 v1(59.44,11.43) ; v1(94.36,46.86) 94.36,48.26 ; v1(50.55,10.16) BUS1.A8 50.55,2.03 ; 59.69,40 59.69,41.53 59.44,41.78 v1(59.44,42.54) 63.5,42.54 ; v1(100.71,27.31) 98.17,27.31 98.17,31.11 98.3,31.11 98.3,27.31 ; 77.09,40 v1(75.31,40) ; 278.64,98.3 278.51,98.3 v1(278.51,97.03) 278.51,94.74 278.26,94.49 271.14,94.49 270.38,93.73 270.38,89.31 270.13,89.05 v1(268.1,89.05) 268.1,89.28 267.84,89.53 265.94,89.53 265.68,89.79 265.68,91.57 ; v1(100.97,91.69) 100.97,90.94 101.67,90.23 103.57,90.23 103.89,90.55 ; 30.71,87.65 30.71,85.88 32.77,83.82 34.67,83.82 ; v1(53.09,10.16) BUS1.A10 53.09,2.03 ; v1(58.17,70.48) 58.17,72.39 ; 43.94,76.45 v1(43.94,75.95) ; U21.8 U21.7 ; v1(117.86,10.16) BUS1.A61 117.86,2.03 ; v1(100.71,40.26) 98.68,40.26 ; D4.2 307.98,75.82 307.34,75.18 298.7,75.18 296.93,76.96 291.47,76.96 290.96,76.45 290.96,75.69 290.7,75.44 289.33,75.44 v1(289.33,73.28) ; 53.09,76.45 53.09,79.76 53.34,80.01 54.48,80.01 ; 39.37,68.58 39.37,67.94 39.62,67.69 v1(39.62,67.18) ; v1(118.24,36.45) 120.02,36.45 ; 101.6,76.2 101.22,76.2 v1(101.22,75.06) ; D2.2 265.56,104.9 v1(275.01,104.9) ; 82.8,46.35 v1(81.03,46.35) ; v1(268.1,76.71) 270.26,76.71 270.51,76.45 270.51,75.95 ; 119.13,2.03 BUS1.A62 v1(119.13,10.16) ; 47.37,13.46 v1(47.37,11.43) 46.74,10.79 BUS1.A5 46.74,2.03 ; v1(81.66,22.35) 81.66,23.5 ; 71.75,59.05 72.14,59.05 v1(72.14,60.45) ; v1(54.36,81.15) 54.36,80.01 54.23,79.88 53.34,79.88 53.09,79.63 ; 115.32,2.03 BUS1.A59 v1(115.32,10.16) ; v1(88.9,88.39) 88.9,89.53 87.53,90.91 82.51,90.91 81.73,91.69 75.82,91.69 75.56,91.44 75.56,90.17 74.29,90.17 74.04,90.42 v1(74.04,91.19) ; v1(75.31,26.67) 77.09,26.67 ; v1(117.73,50.93) 120.02,50.93 ; v1(95,21.72) 95,23.5 ; 111.51,28.57 v1(112.65,28.57) ; v1(117.73,65.91) 120.02,65.91 ; 69.6,72.39 v1(69.6,74.29) 69.6,77.34 70.36,78.1 70.57,78.1 ; 93.22,101.85 v1(93.22,100.07)
